# KiCad board GPDI_ULX3S_panel.kicad_pcb (continued)
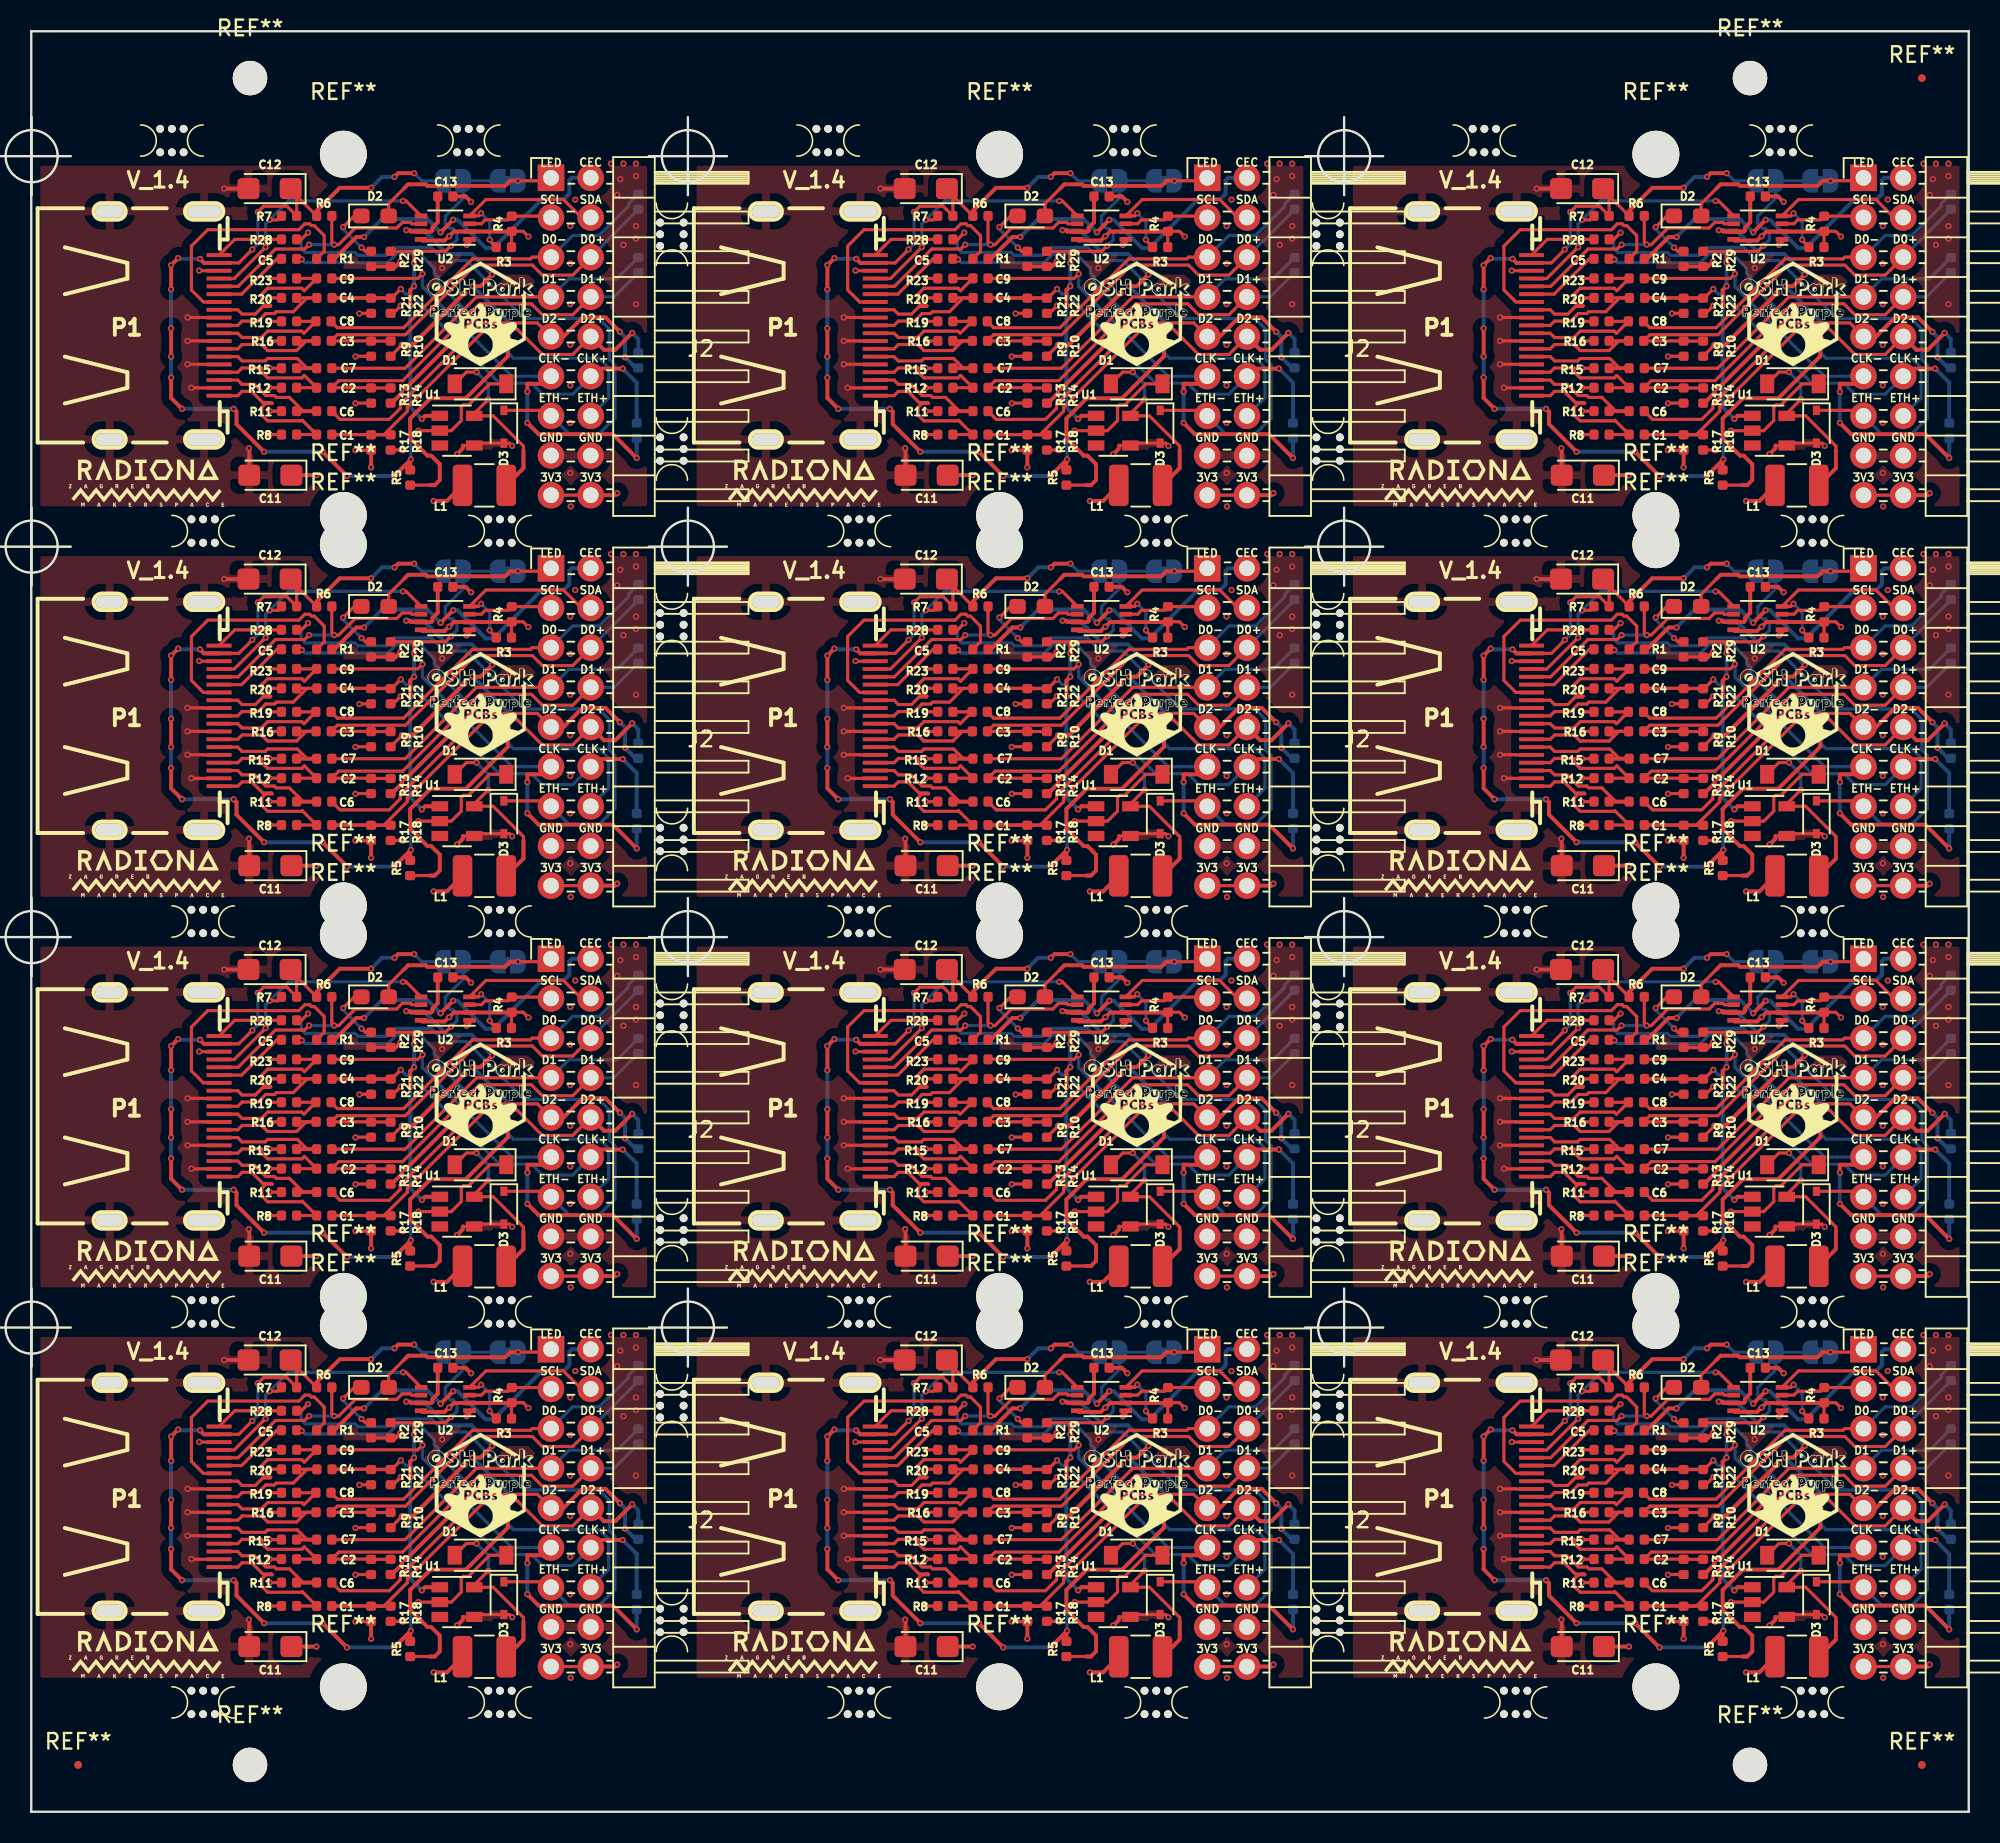
[diagram p0: board, top side]
## Routing (per net, layer and track width the routed paths; a pad name or vN(x,y) marks a point on that pad's centre or on a via; arc(x,y) is an arc through that point) (continued)
GPDI_D0+: length 329.9
  Top w0.2: J2#2.6 76.65,98.38 74.71,98.38 74.07,99.02 70.41,99.02 65.95,94.57 61.59,94.57 C3#2.1 63.73,94.18 R9#2.2 R10#2.1 ; J2#3.6 118.65,98.38 116.71,98.38 116.07,99.02 112.41,99.02 107.95,94.57 103.59,94.57 C3#3.1 105.73,94.18 R9#3.2 R10#3.1 ; J2#4.6 34.65,73.38 32.71,73.38 32.07,74.02 28.41,74.02 23.95,69.57 19.59,69.57 C3#4.1 21.73,69.18 R9#4.2 R10#4.1 ; J2#5.6 76.65,73.38 74.71,73.38 74.07,74.02 70.41,74.02 65.95,69.57 61.59,69.57 C3#5.1 63.73,69.18 R9#5.2 R10#5.1 ; J2#6.6 118.65,73.38 116.71,73.38 116.07,74.02 112.41,74.02 107.95,69.57 103.59,69.57 C3#6.1 105.73,69.18 R9#6.2 R10#6.1 ; J2#7.6 34.65,48.38 32.71,48.38 32.07,49.02 28.41,49.02 23.95,44.57 19.59,44.57 C3#7.1 21.73,44.17 R9#7.2 R10#7.1 ; J2#8.6 76.65,48.38 74.71,48.38 74.07,49.02 70.41,49.02 65.95,44.57 61.59,44.57 C3#8.1 63.73,44.17 R9#8.2 R10#8.1 ; J2#9.6 118.65,48.38 116.71,48.38 116.07,49.02 112.41,49.02 107.95,44.57 103.59,44.57 C3#9.1 105.73,44.17 R9#9.2 R10#9.1 ; J2#10.6 34.65,23.38 32.71,23.38 32.07,24.02 28.41,24.02 23.95,19.57 19.59,19.57 C3#10.1 21.73,19.18 R9#10.2 R10#10.1 ; J2#11.6 76.65,23.38 74.71,23.38 74.07,24.02 70.41,24.02 65.95,19.57 61.59,19.57 C3#11.1 63.73,19.18 R9#11.2 R10#11.1 ; J2#12.6 118.65,23.38 116.71,23.38 116.07,24.02 112.41,24.02 107.95,19.57 103.59,19.57 C3#12.1 105.73,19.18 R9#12.2 R10#12.1 ; R10.1 R9.2 21.73,94.18 C3.1 19.59,94.57 23.95,94.57 28.41,99.02 32.07,99.02 32.71,98.38 34.65,98.38 J2.6
  Bottom w0.2: R26#2.1 80.85,102.58 J2#2.6 ; R26#3.1 122.85,102.58 J2#3.6 ; R26#4.1 38.85,77.58 J2#4.6 ; R26#5.1 80.85,77.58 J2#5.6 ; R26#6.1 122.85,77.58 J2#6.6 ; R26#7.1 38.85,52.58 J2#7.6 ; R26#8.1 80.85,52.58 J2#8.6 ; R26#9.1 122.85,52.58 J2#9.6 ; R26#10.1 38.85,27.58 J2#10.6 ; R26#11.1 80.85,27.58 J2#11.6 ; R26#12.1 122.85,27.58 J2#12.6 ; J2.6 38.85,102.58 R26.1
GPDI_D0-: length 281.6
  Top w0.2: C8#2.1 61.59,95.02 65.83,95.02 70.24,99.42 73.95,99.42 74.06,99.53 J2#2.5 ; C8#3.1 103.59,95.02 107.83,95.02 112.24,99.42 115.95,99.42 116.06,99.53 J2#3.5 ; C8#4.1 19.59,70.02 23.83,70.02 28.24,74.42 31.95,74.42 32.06,74.53 J2#4.5 ; C8#5.1 61.59,70.02 65.83,70.02 70.24,74.42 73.95,74.42 74.06,74.53 J2#5.5 ; C8#6.1 103.59,70.02 107.83,70.02 112.24,74.42 115.95,74.42 116.06,74.53 J2#6.5 ; C8#7.1 19.59,45.02 23.83,45.02 28.24,49.42 31.95,49.42 32.06,49.53 J2#7.5 ; C8#8.1 61.59,45.02 65.83,45.02 70.24,49.42 73.95,49.42 74.06,49.53 J2#8.5 ; C8#9.1 103.59,45.02 107.83,45.02 112.24,49.42 115.95,49.42 116.06,49.53 J2#9.5 ; C8#10.1 19.59,20.02 23.83,20.02 28.24,24.42 31.95,24.42 32.06,24.54 J2#10.5 ; C8#11.1 61.59,20.02 65.83,20.02 70.24,24.42 73.95,24.42 74.06,24.54 J2#11.5 ; C8#12.1 103.59,20.02 107.83,20.02 112.24,24.42 115.95,24.42 116.06,24.54 J2#12.5 ; C8.1 19.59,95.02 23.83,95.02 28.24,99.42 31.95,99.42 32.06,99.53 J2.5
  Bottom w0.2: R26#2.2 80.23,102.96 80.23,102.8 78.36,100.92 76.65,100.92 J2#2.5 ; R26#3.2 122.23,102.96 122.23,102.8 120.36,100.92 118.65,100.92 J2#3.5 ; R26#4.2 38.23,77.96 38.23,77.8 36.36,75.92 34.65,75.92 J2#4.5 ; R26#5.2 80.23,77.96 80.23,77.8 78.36,75.92 76.65,75.92 J2#5.5 ; R26#6.2 122.23,77.96 122.23,77.8 120.36,75.92 118.65,75.92 J2#6.5 ; R26#7.2 38.23,52.96 38.23,52.8 36.36,50.92 34.65,50.92 J2#7.5 ; R26#8.2 80.23,52.96 80.23,52.8 78.36,50.92 76.65,50.92 J2#8.5 ; R26#9.2 122.23,52.96 122.23,52.8 120.36,50.92 118.65,50.92 J2#9.5 ; R26#10.2 38.23,27.96 38.23,27.8 36.36,25.92 34.65,25.92 J2#10.5 ; R26#11.2 80.23,27.96 80.23,27.8 78.36,25.92 76.65,25.92 J2#11.5 ; R26#12.2 122.23,27.96 122.23,27.8 120.36,25.92 118.65,25.92 J2#12.5 ; J2.5 34.65,100.92 36.36,100.92 38.23,102.8 38.23,102.96 R26.2
GPDI_D1+: length 324.2
  Top w0.2: J2#2.8 76.65,95.84 74.71,95.84 74.01,96.54 70.69,96.54 65.77,91.63 61.69,91.63 C2#2.1 63.73,91.18 R13#2.2 R14#2.1 ; J2#3.8 118.65,95.84 116.71,95.84 116.01,96.54 112.69,96.54 107.77,91.63 103.69,91.63 C2#3.1 105.73,91.18 R13#3.2 R14#3.1 ; J2#4.8 34.65,70.84 32.71,70.84 32.01,71.55 28.69,71.55 23.77,66.63 19.69,66.63 C2#4.1 21.73,66.18 R13#4.2 R14#4.1 ; J2#5.8 76.65,70.84 74.71,70.84 74.01,71.55 70.69,71.55 65.77,66.63 61.69,66.63 C2#5.1 63.73,66.18 R13#5.2 R14#5.1 ; J2#6.8 118.65,70.84 116.71,70.84 116.01,71.55 112.69,71.55 107.77,66.63 103.69,66.63 C2#6.1 105.73,66.18 R13#6.2 R14#6.1 ; J2#7.8 34.65,45.84 32.71,45.84 32.01,46.55 28.69,46.55 23.77,41.63 19.69,41.63 C2#7.1 21.73,41.17 R13#7.2 R14#7.1 ; J2#8.8 76.65,45.84 74.71,45.84 74.01,46.55 70.69,46.55 65.77,41.63 61.69,41.63 C2#8.1 63.73,41.17 R13#8.2 R14#8.1 ; J2#9.8 118.65,45.84 116.71,45.84 116.01,46.55 112.69,46.55 107.77,41.63 103.69,41.63 C2#9.1 105.73,41.17 R13#9.2 R14#9.1 ; J2#10.8 34.65,20.84 32.71,20.84 32.01,21.55 28.69,21.55 23.77,16.63 19.69,16.63 C2#10.1 21.73,16.18 R13#10.2 R14#10.1 ; J2#11.8 76.65,20.84 74.71,20.84 74.01,21.55 70.69,21.55 65.77,16.63 61.69,16.63 C2#11.1 63.73,16.18 R13#11.2 R14#11.1 ; J2#12.8 118.65,20.84 116.71,20.84 116.01,21.55 112.69,21.55 107.77,16.63 103.69,16.63 C2#12.1 105.73,16.18 R13#12.2 R14#12.1 ; J2.8 34.65,95.84 32.71,95.84 32.01,96.54 28.69,96.54 23.77,91.63 19.69,91.63 C2.1 21.73,91.18 R13.2 R14.1
  Bottom w0.2: J2#2.8 79.3,97 R25#2.1 ; J2#3.8 121.3,97 R25#3.1 ; J2#4.8 37.3,72 R25#4.1 ; J2#5.8 79.3,72 R25#5.1 ; J2#6.8 121.3,72 R25#6.1 ; J2#7.8 37.3,47 R25#7.1 ; J2#8.8 79.3,47 R25#8.1 ; J2#9.8 121.3,47 R25#9.1 ; J2#10.8 37.3,22 38.85,23.54 ; J2#11.8 79.3,22 80.85,23.54 ; J2#12.8 121.3,22 122.85,23.54 ; J2.8 37.3,97 R25.1
GPDI_D1-: length 270.6
  Top w0.2: J2#2.7 70.5,97 65.93,92.43 C7#2.1 ; J2#3.7 112.5,97 107.93,92.43 C7#3.1 ; J2#4.7 28.5,72 23.93,67.43 C7#4.1 ; J2#5.7 70.5,72 65.93,67.43 C7#5.1 ; J2#6.7 112.5,72 107.93,67.43 C7#6.1 ; J2#7.7 28.5,47 23.93,42.42 C7#7.1 ; J2#8.7 70.5,47 65.93,42.42 C7#8.1 ; J2#9.7 112.5,47 107.93,42.42 C7#9.1 ; J2#10.7 28.5,22 23.93,17.43 C7#10.1 ; J2#11.7 70.5,22 65.93,17.43 C7#11.1 ; J2#12.7 112.5,22 107.93,17.43 C7#12.1 ; C7.1 23.93,92.43 28.5,97 J2.7
  Bottom w0.2: J2#2.7 76.41,98.15 79.49,98.15 R25#2.2 ; J2#3.7 118.41,98.15 121.49,98.15 R25#3.2 ; J2#4.7 34.41,73.15 37.49,73.15 R25#4.2 ; J2#5.7 76.41,73.15 79.49,73.15 R25#5.2 ; J2#6.7 118.41,73.15 121.49,73.15 R25#6.2 ; J2#7.7 34.41,48.15 37.49,48.15 R25#7.2 ; J2#8.7 76.41,48.15 79.49,48.15 R25#8.2 ; J2#9.7 118.41,48.15 121.49,48.15 R25#9.2 ; J2#10.7 34.41,23.15 37.49,23.15 R25#10.2 ; J2#11.7 76.41,23.15 79.49,23.15 R25#11.2 ; J2#12.7 118.41,23.15 121.49,23.15 R25#12.2 ; J2.7 34.41,98.15 37.49,98.15 R25.2
GPDI_D2+: length 351.9
  Top w0.2: R18#2.1 R17#2.2 63.73,88.18 C1#2.1 64.57,88.18 66.07,89.67 66.07,89.93 71.07,94.93 73.09,94.93 74.71,93.3 76.65,93.3 J2#2.10 ; R18#3.1 R17#3.2 105.73,88.18 C1#3.1 106.57,88.18 108.07,89.67 108.07,89.93 113.07,94.93 115.09,94.93 116.71,93.3 118.65,93.3 J2#3.10 ; R18#4.1 R17#4.2 21.73,63.18 C1#4.1 22.57,63.18 24.07,64.67 24.07,64.93 29.07,69.93 31.09,69.93 32.71,68.3 34.65,68.3 J2#4.10 ; R18#5.1 R17#5.2 63.73,63.18 C1#5.1 64.57,63.18 66.07,64.67 66.07,64.93 71.07,69.93 73.09,69.93 74.71,68.3 76.65,68.3 J2#5.10 ; R18#6.1 R17#6.2 105.73,63.18 C1#6.1 106.57,63.18 108.07,64.67 108.07,64.93 113.07,69.93 115.09,69.93 116.71,68.3 118.65,68.3 J2#6.10 ; R18#7.1 R17#7.2 21.73,38.17 C1#7.1 22.57,38.17 24.07,39.67 24.07,39.93 29.07,44.93 31.09,44.93 32.71,43.3 34.65,43.3 J2#7.10 ; R18#8.1 R17#8.2 63.73,38.17 C1#8.1 64.57,38.17 66.07,39.67 66.07,39.93 71.07,44.93 73.09,44.93 74.71,43.3 76.65,43.3 J2#8.10 ; R18#9.1 R17#9.2 105.73,38.17 C1#9.1 106.57,38.17 108.07,39.67 108.07,39.93 113.07,44.93 115.09,44.93 116.71,43.3 118.65,43.3 J2#9.10 ; 23,13.16 21.75,13.16 21.73,13.18 C1#10.1 22.57,13.18 24.07,14.67 24.07,14.93 29.07,19.93 31.09,19.93 32.71,18.3 34.65,18.3 J2#10.10 ; 65,13.16 63.75,13.16 63.73,13.18 C1#11.1 64.57,13.18 66.07,14.67 66.07,14.93 71.07,19.93 73.09,19.93 74.71,18.3 76.65,18.3 J2#11.10 ; 107,13.16 105.75,13.16 105.73,13.18 C1#12.1 106.57,13.18 108.07,14.67 108.07,14.93 113.07,19.93 115.09,19.93 116.71,18.3 118.65,18.3 J2#12.10 ; J2.10 34.65,93.3 32.71,93.3 31.09,94.93 29.07,94.93 24.07,89.93 24.07,89.67 22.57,88.18 C1.1 21.73,88.18 R17.2 R18.1
  Top w0.25: J2#2.10 78.65,93.61 79.37,93.61 v1(80.46,94.69) ; J2#3.10 120.65,93.61 121.37,93.61 v1(122.46,94.69) ; J2#4.10 36.65,68.61 37.37,68.61 v1(38.46,69.69) ; J2#5.10 78.65,68.61 79.37,68.61 v1(80.46,69.69) ; J2#6.10 120.65,68.61 121.37,68.61 v1(122.46,69.69) ; J2#7.10 36.65,43.61 37.37,43.61 v1(38.46,44.69) ; J2#8.10 78.65,43.61 79.37,43.61 v1(80.46,44.69) ; J2#9.10 120.65,43.61 121.37,43.61 v1(122.46,44.69) ; J2#10.10 36.65,18.61 37.37,18.61 v1(38.46,19.69) ; J2#11.10 78.65,18.61 79.37,18.61 v1(80.46,19.69) ; J2#12.10 120.65,18.61 121.37,18.61 v1(122.46,19.69) ; J2.10 36.65,93.61 37.37,93.61 v1(38.46,94.69)
  Bottom w0.25: v1(80.46,94.69) 80.85,94.29 R24#2.1 ; v1(122.46,94.69) 122.85,94.29 R24#3.1 ; v1(38.46,69.69) 38.85,69.29 R24#4.1 ; v1(80.46,69.69) 80.85,69.29 R24#5.1 ; v1(122.46,69.69) 122.85,69.29 R24#6.1 ; v1(38.46,44.69) 38.85,44.29 R24#7.1 ; v1(80.46,44.69) 80.85,44.29 R24#8.1 ; v1(122.46,44.69) 122.85,44.29 R24#9.1 ; v1(38.46,19.69) 38.85,19.29 R24#10.1 ; v1(80.46,19.69) 80.85,19.29 R24#11.1 ; v1(122.46,19.69) 122.85,19.29 R24#12.1 ; R24.1 38.85,94.29 v1(38.46,94.69)
GPDI_D2-: length 306.1
  Top w0.2: C6#2.1 61.76,89.15 64.91,89.15 65.62,89.86 65.62,90.11 70.83,95.33 74.39,95.33 J2#2.9 ; C6#3.1 103.76,89.15 106.91,89.15 107.62,89.86 107.62,90.11 112.83,95.33 116.39,95.33 J2#3.9 ; C6#4.1 19.76,64.15 22.91,64.15 23.62,64.86 23.62,65.11 28.83,70.33 32.39,70.33 J2#4.9 ; C6#5.1 61.76,64.15 64.91,64.15 65.62,64.86 65.62,65.11 70.83,70.33 74.39,70.33 J2#5.9 ; C6#6.1 103.76,64.15 106.91,64.15 107.62,64.86 107.62,65.11 112.83,70.33 116.39,70.33 J2#6.9 ; C6#7.1 19.76,39.15 22.91,39.15 23.62,39.86 23.62,40.11 28.83,45.33 32.39,45.33 J2#7.9 ; C6#8.1 61.76,39.15 64.91,39.15 65.62,39.86 65.62,40.11 70.83,45.33 74.39,45.33 J2#8.9 ; C6#9.1 103.76,39.15 106.91,39.15 107.62,39.86 107.62,40.11 112.83,45.33 116.39,45.33 J2#9.9 ; C6#10.1 19.76,14.15 22.91,14.15 23.62,14.86 23.62,15.11 28.83,20.33 32.39,20.33 J2#10.9 ; C6#11.1 61.76,14.15 64.91,14.15 65.62,14.86 65.62,15.11 70.83,20.33 74.39,20.33 J2#11.9 ; C6#12.1 103.76,14.15 106.91,14.15 107.62,14.86 107.62,15.11 112.83,20.33 116.39,20.33 J2#12.9 ; C6.1 19.76,89.15 22.91,89.15 23.62,89.86 23.62,90.11 28.83,95.33 32.39,95.33 J2.9
  Top w0.25: J2#2.9 76.06,94.46 77.28,95.68 78.75,95.68 v1(79.67,94.76) ; J2#3.9 118.06,94.46 119.28,95.68 120.75,95.68 v1(121.67,94.76) ; J2#4.9 34.06,69.45 35.28,70.68 36.75,70.68 v1(37.67,69.76) ; J2#5.9 76.06,69.45 77.28,70.68 78.75,70.68 v1(79.67,69.76) ; J2#6.9 118.06,69.45 119.28,70.68 120.75,70.68 v1(121.67,69.76) ; J2#7.9 34.06,44.45 35.28,45.67 36.75,45.67 v1(37.67,44.76) ; J2#8.9 76.06,44.45 77.28,45.67 78.75,45.67 v1(79.67,44.76) ; J2#9.9 118.06,44.45 119.28,45.67 120.75,45.67 v1(121.67,44.76) ; J2#10.9 34.06,19.46 35.28,20.68 36.75,20.68 v1(37.67,19.76) ; J2#11.9 76.06,19.46 77.28,20.68 78.75,20.68 v1(79.67,19.76) ; J2#12.9 118.06,19.46 119.28,20.68 120.75,20.68 v1(121.67,19.76) ; v1(37.67,94.76) 36.75,95.68 35.28,95.68 34.06,94.46 J2.9
  Bottom w0.25: R24#2.2 80.68,92.45 v1(80,93.12) 80,94.43 v1(79.67,94.76) ; R24#3.2 122.68,92.45 v1(122,93.12) 122,94.43 v1(121.67,94.76) ; R24#4.2 38.68,67.45 v1(38,68.12) 38,69.43 v1(37.67,69.76) ; R24#5.2 80.68,67.45 v1(80,68.12) 80,69.43 v1(79.67,69.76) ; R24#6.2 122.68,67.45 v1(122,68.12) 122,69.43 v1(121.67,69.76) ; R24#7.2 38.68,42.45 v1(38,43.12) 38,44.43 v1(37.67,44.76) ; R24#8.2 80.68,42.45 v1(80,43.12) 80,44.43 v1(79.67,44.76) ; R24#9.2 122.68,42.45 v1(122,43.12) 122,44.43 v1(121.67,44.76) ; R24#10.2 38.68,17.45 v1(38,18.12) 38,19.43 v1(37.67,19.76) ; R24#11.2 80.68,17.45 v1(80,18.12) 80,19.43 v1(79.67,19.76) ; R24#12.2 122.68,17.45 v1(122,18.12) 122,19.43 v1(121.67,19.76) ; R24.2 38.68,92.45 v1(38,93.12) 38,94.43 v1(37.67,94.76)
GPDI_ETH+: length 327.8
  Top w0.2: v1(59.31,99.39) 59.31,99.42 C5#2.1 ; v1(101.31,99.39) 101.31,99.42 C5#3.1 ; v1(17.31,74.39) 17.31,74.42 C5#4.1 ; v1(59.31,74.39) 59.31,74.42 C5#5.1 ; v1(101.31,74.39) 101.31,74.42 C5#6.1 ; v1(17.31,49.39) 17.31,49.42 C5#7.1 ; v1(59.31,49.39) 59.31,49.42 C5#8.1 ; v1(101.31,49.39) 101.31,49.42 C5#9.1 ; v1(17.31,24.39) 17.31,24.42 C5#10.1 ; v1(59.31,24.39) 59.31,24.42 C5#11.1 ; v1(101.31,24.39) 101.31,24.42 C5#12.1 ; C5.1 17.31,99.43 v1(17.31,99.39)
  Bottom w0.2: J2#2.14 78.95,90.53 78.95,92.47 78.36,93.07 72.86,93.07 68.05,97.87 68.05,98.25 67.79,98.51 67.79,98.82 66.85,99.76 65.4,99.76 64.83,99.19 59.51,99.19 v1(59.31,99.39) ; J2#3.14 120.95,90.53 120.95,92.47 120.36,93.07 114.86,93.07 110.05,97.87 110.05,98.25 109.79,98.51 109.79,98.82 108.85,99.76 107.4,99.76 106.83,99.19 101.51,99.19 v1(101.31,99.39) ; J2#4.14 36.95,65.53 36.95,67.47 36.36,68.07 30.86,68.07 26.05,72.87 26.05,73.25 25.79,73.51 25.79,73.82 24.85,74.76 23.4,74.76 22.83,74.19 17.51,74.19 v1(17.31,74.39) ; J2#5.14 78.95,65.53 78.95,67.47 78.36,68.07 72.86,68.07 68.05,72.87 68.05,73.25 67.79,73.51 67.79,73.82 66.85,74.76 65.4,74.76 64.83,74.19 59.51,74.19 v1(59.31,74.39) ; J2#6.14 120.95,65.53 120.95,67.47 120.36,68.07 114.86,68.07 110.05,72.87 110.05,73.25 109.79,73.51 109.79,73.82 108.85,74.76 107.4,74.76 106.83,74.19 101.51,74.19 v1(101.31,74.39) ; J2#7.14 36.95,40.53 36.95,42.47 36.36,43.07 30.86,43.07 26.05,47.87 26.05,48.25 25.79,48.51 25.79,48.82 24.85,49.76 23.4,49.76 22.83,49.19 17.51,49.19 v1(17.31,49.39) ; J2#8.14 78.95,40.53 78.95,42.47 78.36,43.07 72.86,43.07 68.05,47.87 68.05,48.25 67.79,48.51 67.79,48.82 66.85,49.76 65.4,49.76 64.83,49.19 59.51,49.19 v1(59.31,49.39) ; J2#9.14 120.95,40.53 120.95,42.47 120.36,43.07 114.86,43.07 110.05,47.87 110.05,48.25 109.79,48.51 109.79,48.82 108.85,49.76 107.4,49.76 106.83,49.19 101.51,49.19 v1(101.31,49.39) ; J2#10.14 36.95,15.53 36.95,17.47 36.36,18.07 30.86,18.07 26.05,22.87 26.05,23.25 25.79,23.51 25.79,23.82 24.85,24.76 23.4,24.76 22.83,24.19 17.51,24.19 v1(17.31,24.39) ; J2#11.14 78.95,15.53 78.95,17.47 78.36,18.07 72.86,18.07 68.05,22.87 68.05,23.25 67.79,23.51 67.79,23.82 66.85,24.76 65.4,24.76 64.83,24.19 59.51,24.19 v1(59.31,24.39) ; J2#12.14 120.95,15.53 120.95,17.47 120.36,18.07 114.86,18.07 110.05,22.87 110.05,23.25 109.79,23.51 109.79,23.82 108.85,24.76 107.4,24.76 106.83,24.19 101.51,24.19 v1(101.31,24.39) ; J2.14 36.95,90.53 36.95,92.47 36.36,93.07 30.86,93.07 26.05,97.87 26.05,98.25 25.79,98.51 25.79,98.82 24.85,99.76 23.4,99.76 22.83,99.19 17.51,99.19 v1(17.31,99.39)
GPDI_ETH-: length 460.5
  Top w0.2: D3#2.1 74.91,89.72 J2#2.13 ; D3#3.1 116.91,89.72 J2#3.13 ; D3#4.1 32.91,64.72 J2#4.13 ; D3#5.1 74.91,64.72 J2#5.13 ; D3#6.1 116.91,64.72 J2#6.13 ; D3#7.1 32.91,39.73 J2#7.13 ; D3#8.1 74.91,39.73 J2#8.13 ; D3#9.1 116.91,39.73 J2#9.13 ; D3#10.1 32.91,14.73 J2#10.13 ; D3#11.1 74.91,14.73 J2#11.13 ; D3#12.1 116.91,14.73 J2#12.13 ; v1(59.72,101.1) 59.29,100.68 R28#2.2 ; v1(101.72,101.1) 101.29,100.68 R28#3.2 ; v1(17.72,76.1) 17.29,75.68 R28#4.2 ; v1(59.72,76.1) 59.29,75.68 R28#5.2 ; v1(101.72,76.1) 101.29,75.68 R28#6.2 ; v1(17.72,51.1) 17.29,50.67 R28#7.2 ; v1(59.72,51.1) 59.29,50.67 R28#8.2 ; v1(101.72,51.1) 101.29,50.67 R28#9.2 ; v1(17.72,26.1) 17.29,25.68 R28#10.2 ; v1(59.72,26.1) 59.29,25.68 R28#11.2 ; v1(101.72,26.1) 101.29,25.68 R28#12.2 ; D3.1 32.91,89.72 J2.13 ; R28.2 17.29,100.68 v1(17.72,101.1)
  Bottom w0.2: J2#2.13 76.41,88.22 78.36,88.22 79.35,89.22 79.35,92.63 79,92.99 79,94.93 78.32,95.61 73.57,95.61 69.86,99.32 68.44,99.32 67.6,100.16 65.23,100.16 64.72,99.65 62.9,99.65 62.71,99.84 59.54,99.84 59.28,100.1 59.28,100.67 v1(59.72,101.1) ; J2#3.13 118.41,88.22 120.36,88.22 121.35,89.22 121.35,92.63 121,92.99 121,94.93 120.32,95.61 115.57,95.61 111.86,99.32 110.44,99.32 109.6,100.16 107.23,100.16 106.72,99.65 104.9,99.65 104.71,99.84 101.54,99.84 101.28,100.1 101.28,100.67 v1(101.72,101.1) ; J2#4.13 34.41,63.22 36.36,63.22 37.35,64.22 37.35,67.63 37,67.99 37,69.93 36.32,70.61 31.57,70.61 27.86,74.32 26.44,74.32 25.6,75.16 23.23,75.16 22.72,74.65 20.9,74.65 20.71,74.84 17.54,74.84 17.28,75.1 17.28,75.67 v1(17.72,76.1) ; J2#5.13 76.41,63.22 78.36,63.22 79.35,64.22 79.35,67.63 79,67.99 79,69.93 78.32,70.61 73.57,70.61 69.86,74.32 68.44,74.32 67.6,75.16 65.23,75.16 64.72,74.65 62.9,74.65 62.71,74.84 59.54,74.84 59.28,75.1 59.28,75.67 v1(59.72,76.1) ; J2#6.13 118.41,63.22 120.36,63.22 121.35,64.22 121.35,67.63 121,67.99 121,69.93 120.32,70.61 115.57,70.61 111.86,74.32 110.44,74.32 109.6,75.16 107.23,75.16 106.72,74.65 104.9,74.65 104.71,74.84 101.54,74.84 101.28,75.1 101.28,75.67 v1(101.72,76.1) ; J2#7.13 34.41,38.22 36.36,38.22 37.35,39.22 37.35,42.63 37,42.99 37,44.93 36.32,45.61 31.57,45.61 27.86,49.32 26.44,49.32 25.6,50.16 23.23,50.16 22.72,49.65 20.9,49.65 20.71,49.84 17.54,49.84 17.28,50.1 17.28,50.67 v1(17.72,51.1) ; J2#8.13 76.41,38.22 78.36,38.22 79.35,39.22 79.35,42.63 79,42.99 79,44.93 78.32,45.61 73.57,45.61 69.86,49.32 68.44,49.32 67.6,50.16 65.23,50.16 64.72,49.65 62.9,49.65 62.71,49.84 59.54,49.84 59.28,50.1 59.28,50.67 v1(59.72,51.1) ; J2#9.13 118.41,38.22 120.36,38.22 121.35,39.22 121.35,42.63 121,42.99 121,44.93 120.32,45.61 115.57,45.61 111.86,49.32 110.44,49.32 109.6,50.16 107.23,50.16 106.72,49.65 104.9,49.65 104.71,49.84 101.54,49.84 101.28,50.1 101.28,50.67 v1(101.72,51.1) ; J2#10.13 34.41,13.22 36.36,13.22 37.35,14.22 37.35,17.63 37,17.99 37,19.93 36.32,20.61 31.57,20.61 27.86,24.32 26.44,24.32 25.6,25.16 23.23,25.16 22.72,24.65 20.9,24.65 20.71,24.84 17.54,24.84 17.28,25.1 17.28,25.67 v1(17.72,26.1) ; J2#11.13 76.41,13.22 78.36,13.22 79.35,14.22 79.35,17.63 79,17.99 79,19.93 78.32,20.61 73.57,20.61 69.86,24.32 68.44,24.32 67.6,25.16 65.23,25.16 64.72,24.65 62.9,24.65 62.71,24.84 59.54,24.84 59.28,25.1 59.28,25.67 v1(59.72,26.1) ; J2#12.13 118.41,13.22 120.36,13.22 121.35,14.22 121.35,17.63 121,17.99 121,19.93 120.32,20.61 115.57,20.61 111.86,24.32 110.44,24.32 109.6,25.16 107.23,25.16 106.72,24.65 104.9,24.65 104.71,24.84 101.54,24.84 101.28,25.1 101.28,25.67 v1(101.72,26.1) ; v1(17.72,101.1) 17.28,100.67 17.28,100.1 17.54,99.84 20.71,99.84 20.9,99.65 22.72,99.65 23.23,100.16 25.6,100.16 26.44,99.32 27.86,99.32 31.57,95.61 36.32,95.61 37,94.93 37,92.99 37.35,92.63 37.35,89.22 36.36,88.22 34.41,88.22 J2.13
GPDI_SCL: length 198.8
  Top w0.2: R6#2.2 61.23,100.49 v1(61.39,100.34) 61.67,100.34 62.74,101.4 65.39,101.4 65.74,101.76 66.27,101.76 66.35,101.68 U2#2.6 ; R6#3.2 103.23,100.49 v1(103.39,100.34) 103.67,100.34 104.74,101.4 107.39,101.4 107.74,101.76 108.27,101.76 108.35,101.68 U2#3.6 ; R6#4.2 19.23,75.49 v1(19.39,75.34) 19.67,75.34 20.74,76.4 23.39,76.4 23.74,76.76 24.27,76.76 24.35,76.68 U2#4.6 ; R6#5.2 61.23,75.49 v1(61.39,75.34) 61.67,75.34 62.74,76.4 65.39,76.4 65.74,76.76 66.27,76.76 66.35,76.68 U2#5.6 ; R6#6.2 103.23,75.49 v1(103.39,75.34) 103.67,75.34 104.74,76.4 107.39,76.4 107.74,76.76 108.27,76.76 108.35,76.68 U2#6.6 ; R6#7.2 19.23,50.49 v1(19.39,50.34) 19.67,50.34 20.74,51.4 23.39,51.4 23.74,51.76 24.27,51.76 24.35,51.68 U2#7.6 ; R6#8.2 61.23,50.49 v1(61.39,50.34) 61.67,50.34 62.74,51.4 65.39,51.4 65.74,51.76 66.27,51.76 66.35,51.68 U2#8.6 ; R6#9.2 103.23,50.49 v1(103.39,50.34) 103.67,50.34 104.74,51.4 107.39,51.4 107.74,51.76 108.27,51.76 108.35,51.68 U2#9.6 ; R6#10.2 19.23,25.49 v1(19.39,25.34) 19.67,25.34 20.74,26.4 23.39,26.4 23.74,26.76 24.27,26.76 24.35,26.68 U2#10.6 ; R6#11.2 61.23,25.49 v1(61.39,25.34) 61.67,25.34 62.74,26.4 65.39,26.4 65.74,26.76 66.27,26.76 66.35,26.68 U2#11.6 ; R6#12.2 103.23,25.49 v1(103.39,25.34) 103.67,25.34 104.74,26.4 107.39,26.4 107.74,26.76 108.27,26.76 108.35,26.68 U2#12.6 ; v1(59.78,100.34) 59.5,100.05 57.63,100.05 55.24,97.67 P1#2.15 ; v1(101.78,100.34) 101.5,100.05 99.63,100.05 97.24,97.67 P1#3.15 ; v1(17.78,75.34) 17.5,75.05 15.63,75.05 13.24,72.67 P1#4.15 ; v1(59.78,75.34) 59.5,75.05 57.63,75.05 55.24,72.67 P1#5.15 ; v1(101.78,75.34) 101.5,75.05 99.63,75.05 97.24,72.67 P1#6.15 ; v1(17.78,50.34) 17.5,50.05 15.63,50.05 13.24,47.67 P1#7.15 ; v1(59.78,50.34) 59.5,50.05 57.63,50.05 55.24,47.67 P1#8.15 ; v1(101.78,50.34) 101.5,50.05 99.63,50.05 97.24,47.67 P1#9.15 ; v1(17.78,25.34) 17.5,25.05 15.63,25.05 13.24,22.67 12.02,22.67 ; v1(59.78,25.34) 59.5,25.05 57.63,25.05 55.24,22.67 54.02,22.67 ; v1(101.78,25.34) 101.5,25.05 99.63,25.05 97.24,22.67 96.02,22.67 ; v1(17.78,100.34) 17.5,100.05 15.63,100.05 13.24,97.67 P1.15 ; U2.6 24.35,101.68 24.27,101.76 23.74,101.76 23.39,101.4 20.74,101.4 19.67,100.34 v1(19.39,100.34) 19.23,100.49 R6.2
  Bottom w0.2: v1(59.78,100.34) v1(61.39,100.34) ; v1(101.78,100.34) v1(103.39,100.34) ; v1(17.78,75.34) v1(19.39,75.34) ; v1(59.78,75.34) v1(61.39,75.34) ; v1(101.78,75.34) v1(103.39,75.34) ; v1(17.78,50.34) v1(19.39,50.34) ; v1(59.78,50.34) v1(61.39,50.34) ; v1(101.78,50.34) v1(103.39,50.34) ; v1(17.78,25.34) v1(19.39,25.34) ; v1(59.78,25.34) v1(61.39,25.34) ; v1(101.78,25.34) v1(103.39,25.34) ; v1(17.78,100.34) v1(19.39,100.34)
GPDI_SDA: length 205.6
  Top w0.2: v1(57,100.18) 54.99,98.17 P1#2.16 ; v1(99,100.18) 96.99,98.17 P1#3.16 ; v1(15,75.18) 12.99,73.17 P1#4.16 ; v1(57,75.18) 54.99,73.17 P1#5.16 ; v1(99,75.18) 96.99,73.17 P1#6.16 ; v1(15,50.17) 12.99,48.17 P1#7.16 ; v1(57,50.17) 54.99,48.17 P1#8.16 ; v1(99,50.17) 96.99,48.17 P1#9.16 ; v1(15,25.18) 12.99,23.17 12.02,23.17 ; v1(57,25.18) 54.99,23.17 54.02,23.17 ; v1(99,25.18) 96.99,23.17 96.02,23.17 ; v1(57.25,101.93) 57.77,101.93 R7#2.2 ; v1(99.25,101.93) 99.77,101.93 R7#3.2 ; v1(15.25,76.93) 15.77,76.93 R7#4.2 ; v1(57.25,76.93) 57.77,76.93 R7#5.2 ; v1(99.25,76.93) 99.77,76.93 R7#6.2 ; v1(15.25,51.93) 15.77,51.93 R7#7.2 ; v1(57.25,51.93) 57.77,51.93 R7#8.2 ; v1(99.25,51.93) 99.77,51.93 R7#9.2 ; v1(15.25,26.93) 15.77,26.93 R7#10.2 ; v1(57.25,26.93) 57.77,26.93 R7#11.2 ; v1(99.25,26.93) 99.77,26.93 R7#12.2 ; v1(65.8,103.14) 65.99,103.14 U2#2.5 ; v1(107.8,103.14) 107.99,103.14 U2#3.5 ; v1(23.8,78.14) 23.99,78.14 U2#4.5 ; v1(65.8,78.14) 65.99,78.14 U2#5.5 ; v1(107.8,78.14) 107.99,78.14 U2#6.5 ; v1(23.8,53.14) 23.99,53.14 U2#7.5 ; v1(65.8,53.14) 65.99,53.14 U2#8.5 ; v1(107.8,53.14) 107.99,53.14 U2#9.5 ; v1(23.8,28.14) 23.99,28.14 U2#10.5 ; v1(65.8,28.14) 65.99,28.14 U2#11.5 ; v1(107.8,28.14) 107.99,28.14 U2#12.5 ; R7.2 15.77,101.93 v1(15.25,101.93) ; P1.16 12.99,98.17 v1(15,100.18) ; U2.5 23.99,103.14 v1(23.8,103.14)
  Bottom w0.2: v1(57,100.18) 57,101.68 v1(57.25,101.93) 58.46,103.14 v1(65.8,103.14) ; v1(99,100.18) 99,101.68 v1(99.25,101.93) 100.46,103.14 v1(107.8,103.14) ; v1(15,75.18) 15,76.68 v1(15.25,76.93) 16.46,78.14 v1(23.8,78.14) ; v1(57,75.18) 57,76.68 v1(57.25,76.93) 58.46,78.14 v1(65.8,78.14) ; v1(99,75.18) 99,76.68 v1(99.25,76.93) 100.46,78.14 v1(107.8,78.14) ; v1(15,50.17) 15,51.68 v1(15.25,51.93) 16.46,53.14 v1(23.8,53.14) ; v1(57,50.17) 57,51.68 v1(57.25,51.93) 58.46,53.14 v1(65.8,53.14) ; v1(99,50.17) 99,51.68 v1(99.25,51.93) 100.46,53.14 v1(107.8,53.14) ; v1(15,25.18) 15,26.68 v1(15.25,26.93) 16.46,28.14 v1(23.8,28.14) ; v1(57,25.18) 57,26.68 v1(57.25,26.93) 58.46,28.14 v1(65.8,28.14) ; v1(99,25.18) 99,26.68 v1(99.25,26.93) 100.46,28.14 v1(107.8,28.14) ; v1(15,100.18) 15,101.68 v1(15.25,101.93) 16.46,103.14 v1(23.8,103.14)
LED_HDMI: length 143.3
  Top w0.2: v1(73.15,104.43) 75.07,104.43 J2#2.1 ; v1(115.15,104.43) 117.07,104.43 J2#3.1 ; v1(31.15,79.43) 33.07,79.43 J2#4.1 ; v1(73.15,79.43) 75.07,79.43 J2#5.1 ; v1(115.15,79.43) 117.07,79.43 J2#6.1 ; v1(31.15,54.43) 33.07,54.43 J2#7.1 ; v1(73.15,54.43) 75.07,54.43 J2#8.1 ; v1(115.15,54.43) 117.07,54.43 J2#9.1 ; v1(31.15,29.43) 33.07,29.43 J2#10.1 ; v1(73.15,29.43) 75.07,29.43 J2#11.1 ; v1(115.15,29.43) 117.07,29.43 J2#12.1 ; D2#2.2 64.87,102.95 65.85,103.93 ; D2#3.2 106.87,102.95 107.85,103.93 ; D2#4.2 22.87,77.95 23.85,78.93 ; D2#5.2 64.87,77.95 65.85,78.93 ; D2#6.2 106.87,77.95 107.85,78.93 ; D2#7.2 22.87,52.95 23.85,53.93 ; D2#8.2 64.87,52.95 65.85,53.93 ; D2#9.2 106.87,52.95 107.85,53.93 ; D2#10.2 22.87,27.95 23.85,28.93 ; D2#11.2 64.87,27.95 65.85,28.93 ; D2#12.2 106.87,27.95 107.85,28.93 ; v1(31.15,104.43) 33.07,104.43 J2.1 ; 23.85,103.93 22.87,102.95 D2.2
  Top w0.25: v1(73.15,104.43) 72.65,104.43 72.33,104.1 67.35,104.1 67.25,104.2 66.12,104.2 65.85,103.93 ; v1(115.15,104.43) 114.65,104.43 114.33,104.1 109.35,104.1 109.25,104.2 108.12,104.2 107.85,103.93 ; v1(31.15,79.43) 30.65,79.43 30.33,79.1 25.35,79.1 25.25,79.2 24.12,79.2 23.85,78.93 ; v1(73.15,79.43) 72.65,79.43 72.33,79.1 67.35,79.1 67.25,79.2 66.12,79.2 65.85,78.93 ; v1(115.15,79.43) 114.65,79.43 114.33,79.1 109.35,79.1 109.25,79.2 108.12,79.2 107.85,78.93 ; v1(31.15,54.43) 30.65,54.43 30.33,54.1 25.35,54.1 25.25,54.2 24.12,54.2 23.85,53.93 ; v1(73.15,54.43) 72.65,54.43 72.33,54.1 67.35,54.1 67.25,54.2 66.12,54.2 65.85,53.93 ; v1(115.15,54.43) 114.65,54.43 114.33,54.1 109.35,54.1 109.25,54.2 108.12,54.2 107.85,53.93 ; v1(31.15,29.43) 30.65,29.43 30.33,29.1 25.35,29.1 25.25,29.2 24.12,29.2 23.85,28.93 ; v1(73.15,29.43) 72.65,29.43 72.33,29.1 67.35,29.1 67.25,29.2 66.12,29.2 65.85,28.93 ; v1(115.15,29.43) 114.65,29.43 114.33,29.1 109.35,29.1 109.25,29.2 108.12,29.2 107.85,28.93 ; 23.85,103.93 24.12,104.2 25.25,104.2 25.35,104.1 30.33,104.1 30.65,104.43 v1(31.15,104.43)
